# KiCad board coils_12_35_10_2_layer.kicad_pcb (continued)
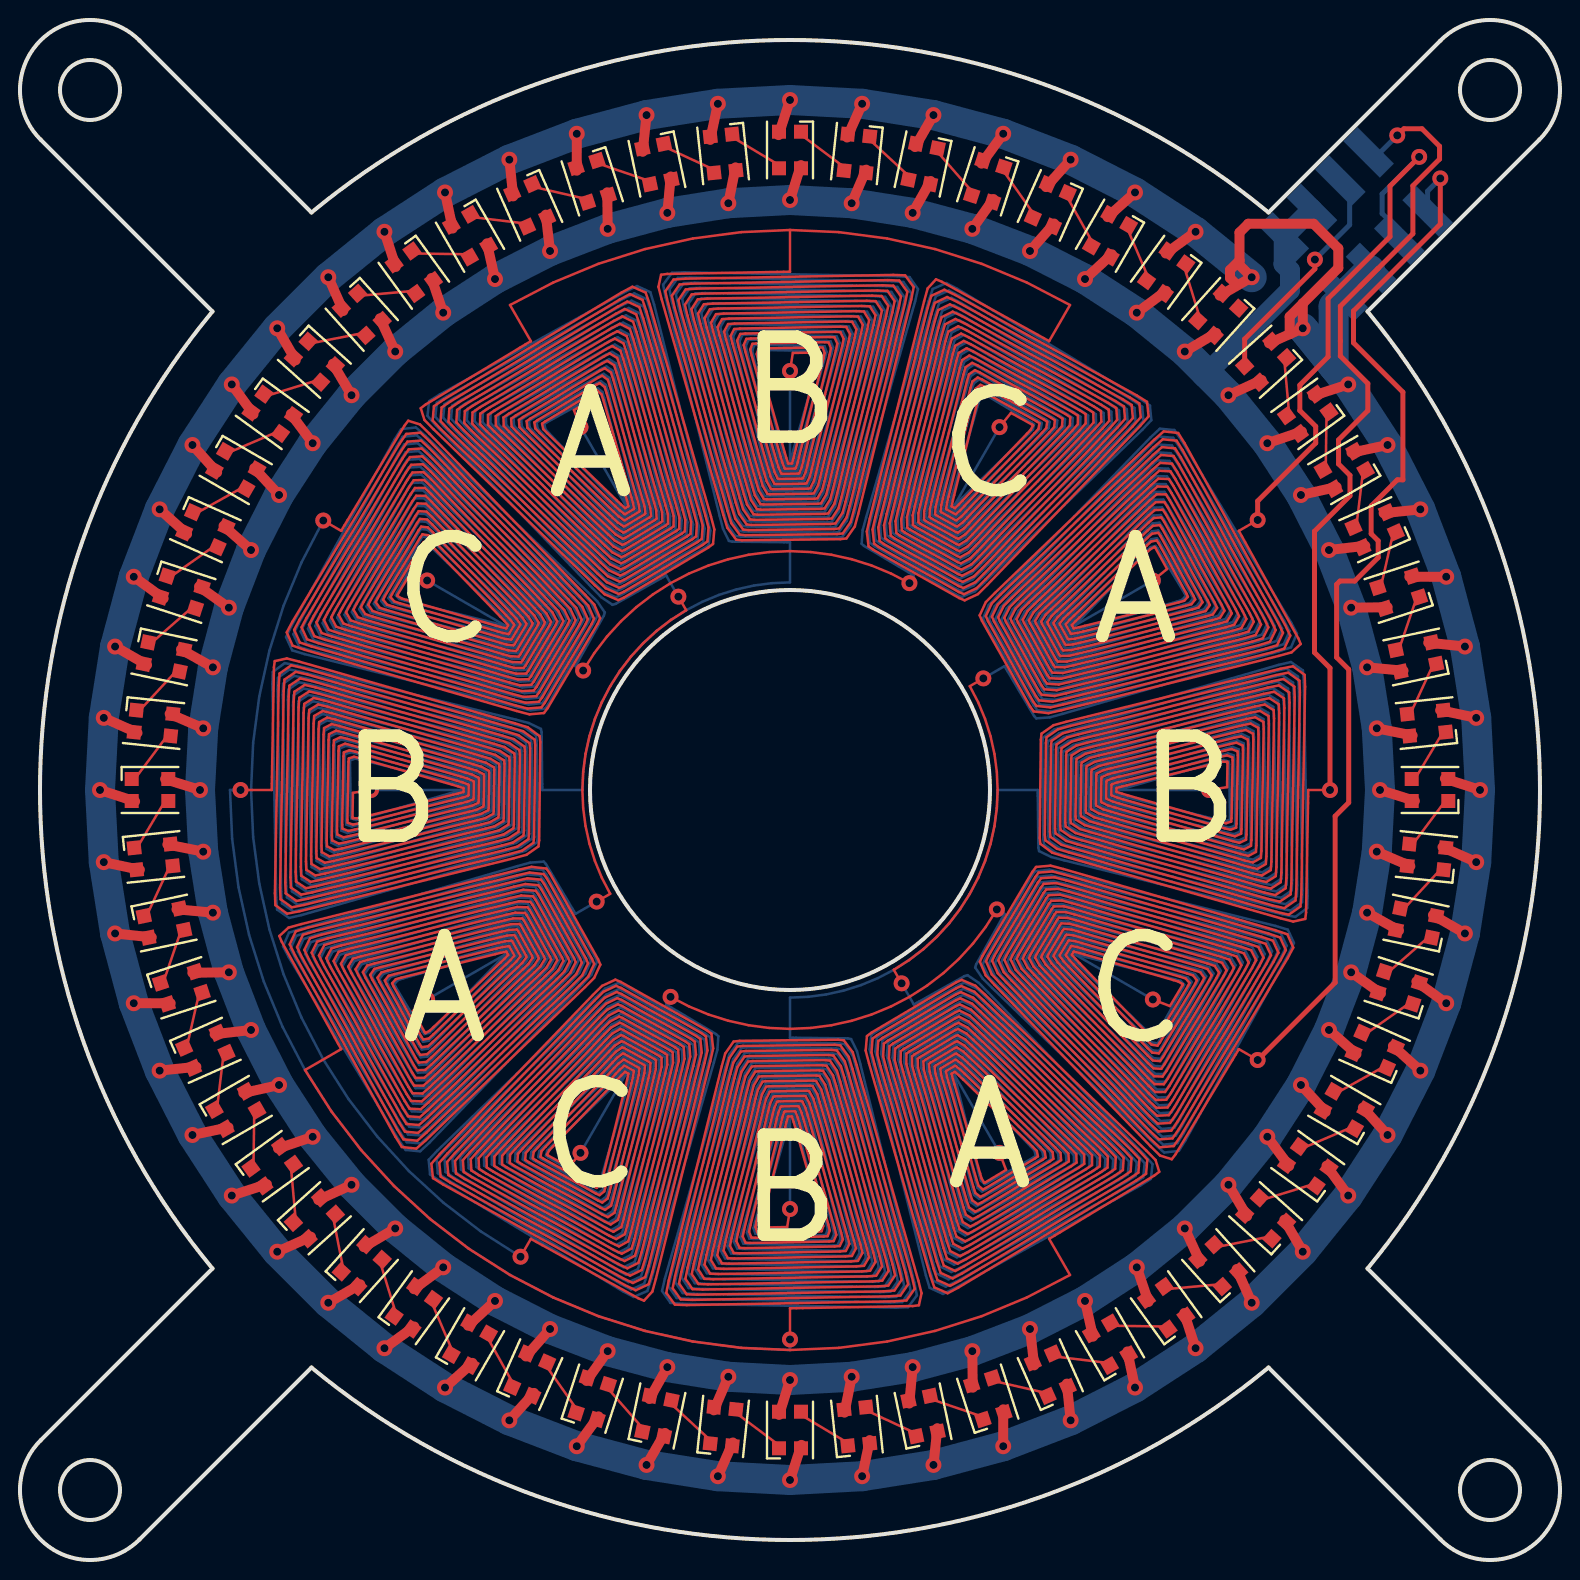
[diagram p0: board, top side]
## Routing (per net, layer and track width the routed paths; a pad name or vN(x,y) marks a point on that pad's centre or on a via; arc(x,y) is an arc through that point) (continued)
LED_IO_1: length 2.7
  Top w0.127: 67.14,54.38 66.82,51.71
LED_IO_2: length 2.7
  Top w0.127: 68.65,51.3 68.05,48.67
LED_IO_3: length 2.7
  Top w0.127: 69.82,48.08 68.95,45.53
LED_IO_4: length 2.7
  Top w0.127: 70.65,44.75 69.52,42.31
LED_IO_5: length 2.7
  Top w0.127: 71.13,41.35 69.75,39.05
LED_IO_6: length 2.7
  Top w0.127: 71.25,37.93 69.63,35.78
LED_IO_7: length 2.7
  Top w0.127: 71.01,34.51 69.18,32.54
LED_IO_8: length 2.7
  Top w0.127: 70.41,31.13 68.38,29.36
LED_IO_9: length 2.7
  Top w0.127: 69.47,27.84 67.27,26.29
LED_IO_10: length 2.7
  Top w0.127: 68.18,24.66 65.83,23.35
LED_IO_11: length 2.7
  Top w0.127: 66.57,21.63 64.1,20.58
LED_IO_12: length 2.7
  Top w0.127: 64.66,18.79 62.08,18
LED_IO_13: length 2.7
  Top w0.127: 62.45,16.16 59.81,15.65
LED_IO_14: length 2.7
  Top w0.127: 59.99,13.78 57.31,13.54
LED_IO_15: length 2.7
  Top w0.127: 57.28,11.67 54.59,11.71
LED_IO_16: length 2.7
  Top w0.127: 54.38,9.86 51.71,10.18
LED_IO_17: length 2.7
  Top w0.127: 51.3,8.35 48.67,8.95
LED_IO_18: length 2.7
  Top w0.127: 48.08,7.18 45.53,8.05
LED_IO_19: length 2.7
  Top w0.127: 44.75,6.35 42.31,7.48
LED_IO_20: length 2.7
  Top w0.127: 41.35,5.87 39.05,7.25
LED_IO_21: length 2.7
  Top w0.127: 37.93,5.75 35.78,7.37
LED_IO_22: length 2.7
  Top w0.127: 34.51,5.99 32.54,7.82
LED_IO_23: length 2.7
  Top w0.127: 31.13,6.59 29.36,8.62
LED_IO_24: length 2.7
  Top w0.127: 27.84,7.53 26.29,9.73
LED_IO_25: length 2.7
  Top w0.127: 24.66,8.82 23.35,11.17
LED_IO_26: length 2.7
  Top w0.127: 21.63,10.43 20.58,12.9
LED_IO_27: length 2.7
  Top w0.127: 18.79,12.34 18,14.92
LED_IO_28: length 2.7
  Top w0.127: 16.16,14.55 15.65,17.19
LED_IO_29: length 2.7
  Top w0.127: 13.78,17.01 13.54,19.69
LED_IO_30: length 2.7
  Top w0.127: 11.67,19.72 11.71,22.41
LED_IO_31: length 2.7
  Top w0.127: 9.86,22.62 10.18,25.29
LED_IO_32: length 2.7
  Top w0.127: 8.35,25.7 8.95,28.33
LED_IO_33: length 2.7
  Top w0.127: 7.18,28.92 8.05,31.47
LED_IO_34: length 2.7
  Top w0.127: 6.35,32.25 7.48,34.69
LED_IO_35: length 2.7
  Top w0.127: 5.87,35.65 7.25,37.95
LED_IO_36: length 2.7
  Top w0.127: 5.75,39.07 7.37,41.22
LED_IO_37: length 2.7
  Top w0.127: 5.99,42.49 7.82,44.46
LED_IO_38: length 2.7
  Top w0.127: 6.59,45.87 8.62,47.64
LED_IO_39: length 2.7
  Top w0.127: 7.53,49.16 9.73,50.71
LED_IO_40: length 2.7
  Top w0.127: 8.82,52.34 11.17,53.65
LED_IO_41: length 2.7
  Top w0.127: 10.43,55.37 12.9,56.42
LED_IO_42: length 2.7
  Top w0.127: 12.34,58.21 14.92,59
LED_IO_43: length 2.7
  Top w0.127: 14.55,60.84 17.19,61.35
LED_IO_44: length 2.7
  Top w0.127: 17.01,63.22 19.69,63.46
LED_IO_45: length 2.7
  Top w0.127: 19.72,65.33 22.41,65.29
LED_IO_46: length 2.7
  Top w0.127: 22.62,67.14 25.29,66.82
LED_IO_47: length 2.7
  Top w0.127: 25.7,68.65 28.33,68.05
LED_IO_48: length 2.7
  Top w0.127: 28.92,69.82 31.47,68.95
LED_IO_49: length 2.7
  Top w0.127: 32.25,70.65 34.69,69.52
LED_IO_50: length 2.7
  Top w0.127: 35.65,71.13 37.95,69.75
LED_IO_51: length 2.7
  Top w0.127: 39.07,71.25 41.22,69.63
LED_IO_52: length 2.7
  Top w0.127: 42.49,71.01 44.46,69.18
LED_IO_53: length 2.7
  Top w0.127: 45.87,70.41 47.64,68.38
LED_IO_54: length 2.7
  Top w0.127: 49.16,69.47 50.71,67.27
LED_IO_55: length 2.7
  Top w0.127: 52.34,68.18 53.65,65.83
LED_IO_56: length 2.7
  Top w0.127: 55.37,66.57 56.42,64.1
LED_IO_57: length 2.7
  Top w0.127: 58.21,64.66 59,62.08
LED_IO_58: length 11.9
  Top w0.25: v1(64.75,65.02) 64.75,64.56 61.23,61.05 REF**37.3
  Bottom w0.25: 66.21,68.79 66.19,68.79 REF**#2.4 66.48,68.5 66.48,66.76 v1(64.75,65.02)
LED_IO_59: length 2.7
  Top w0.127: 63.22,59.99 63.46,57.31
LED_IO_60: length 2.7
  Top w0.127: 65.33,57.28 65.29,54.59
V+: length 305.6
  Top w0.5: 53.65,11.17 v1(53.25,12.95) ; 47.64,8.62 v1(47.62,10.44) ; 9.73,26.29 v1(11.55,26.5) ; 11.17,23.35 v1(12.95,23.75) ; 7.48,42.31 v1(9.16,41.58) ; 68.38,47.64 v1(66.56,47.62) ; 59,14.92 v1(58.24,16.58) ; 23.35,65.83 v1(23.75,64.05) ; 65.83,53.65 v1(64.05,53.25) ; 69.18,44.46 v1(67.36,44.63) ; 68.95,31.47 v1(67.36,32.37) ; 15.65,59.81 v1(16.58,58.24) ; 28.33,8.95 v1(29.38,10.44) ; 69.63,41.22 v1(67.84,41.58) ; 12.9,20.58 v1(14.63,21.16) ; 13.54,57.31 v1(14.63,55.84) ; 34.69,7.48 v1(35.42,9.16) ; 35.78,69.63 v1(35.42,67.84) ; 50.71,9.73 v1(50.5,11.55) ; 18,62.08 v1(18.76,60.42) ; 31.47,8.05 v1(32.37,9.64) ; 67.27,50.71 v1(65.45,50.5) ; 14.92,18 v1(16.58,18.76) ; 65.29,22.41 v1(64.05,23.75) ; 20.58,64.1 v1(21.16,62.37) ; 59.81,61.35 v1(58.24,60.42) ; 8.62,29.36 v1(10.44,29.38) ; 64.1,56.42 v1(62.37,55.84) ; 7.82,32.54 v1(9.64,32.37) ; 42.31,69.52 v1(41.58,67.84) ; 19.69,13.54 v1(21.16,14.63) ; 25.29,10.18 v1(26.5,11.55) ; 57.31,63.46 v1(55.84,62.37) ; 45.53,68.95 v1(44.63,67.36) ; 10.18,51.71 v1(11.55,50.5) ; 39.05,69.75 v1(38.5,68) ; 63.46,19.69 v1(62.37,21.16) ; 22.41,11.71 v1(23.75,12.95) ; 62.08,59 v1(60.42,58.24) ; 7.37,35.78 v1(9.16,35.42) ; 37.95,7.25 v1(38.5,9) ; 11.71,54.59 v1(12.95,53.25) ; 26.29,67.27 v1(26.5,65.45) ; 61.35,17.19 v1(60.42,18.76) ; 7.25,39.05 v1(9,38.5) ; 32.54,69.18 v1(32.37,67.36) ; 44.46,7.82 v1(44.63,9.64) ; 8.05,45.53 v1(9.64,44.63) ; 41.22,7.37 v1(41.58,9.16) ; 54.59,65.29 v1(53.25,64.05) ; 69.75,37.95 v1(68,38.5) ; 48.67,68.05 v1(47.62,66.56) ; 51.71,66.82 v1(50.5,65.45) ; 69.52,34.69 v1(67.84,35.42) ; 17.19,15.65 v1(18.76,16.58) ; 29.36,68.38 v1(29.38,66.56) ; 68.05,28.33 v1(66.56,29.38) ; 8.95,48.67 v1(10.44,47.62) ; 56.42,12.9 v1(55.84,14.63) ; 66.82,25.29 v1(65.45,26.5)
  Bottom w1: REF**#2.6 REF**#2.8 63.19,64.81 63.18,64.8 63.5,64.47 63.5,63.5 59.33,59.33
  Bottom w1.5: v1(23.75,12.95) v1(21.16,14.63) v1(18.76,16.58) v1(16.58,18.76) v1(14.63,21.16) v1(12.95,23.75) v1(11.55,26.5) v1(10.44,29.38) v1(9.64,32.37) v1(9.16,35.42) v1(9,38.5) v1(9.16,41.58) v1(9.64,44.63) v1(10.44,47.62) v1(11.55,50.5) v1(12.95,53.25) v1(14.63,55.84) v1(16.58,58.24) v1(18.76,60.42) v1(21.16,62.37) v1(23.75,64.05) v1(26.5,65.45) v1(29.38,66.56) v1(32.37,67.36) v1(35.42,67.84) v1(38.5,68) v1(41.58,67.84) v1(44.63,67.36) v1(47.62,66.56) v1(50.5,65.45) v1(53.25,64.05) v1(55.84,62.37) v1(58.24,60.42) v1(60.42,58.24) v1(62.37,55.84) v1(64.05,53.25) v1(65.45,50.5) v1(66.56,47.62) v1(67.36,44.63) v1(67.84,41.58) v1(68,38.5) v1(67.84,35.42) v1(67.36,32.37) v1(66.56,29.38) v1(65.45,26.5) v1(64.05,23.75) v1(62.37,21.16) v1(60.42,18.76) v1(58.24,16.58) v1(55.84,14.63) v1(53.25,12.95) v1(50.5,11.55) v1(47.62,10.44) v1(44.63,9.64) v1(41.58,9.16) v1(38.5,9) v1(35.42,9.16) v1(32.37,9.64) v1(29.38,10.44) v1(26.5,11.55) v1(23.75,12.95)

## Text on the board
F.Silkscreen: B | C | A
